# KiCad board V1.1_XT30_version.kicad_pcb (continued)
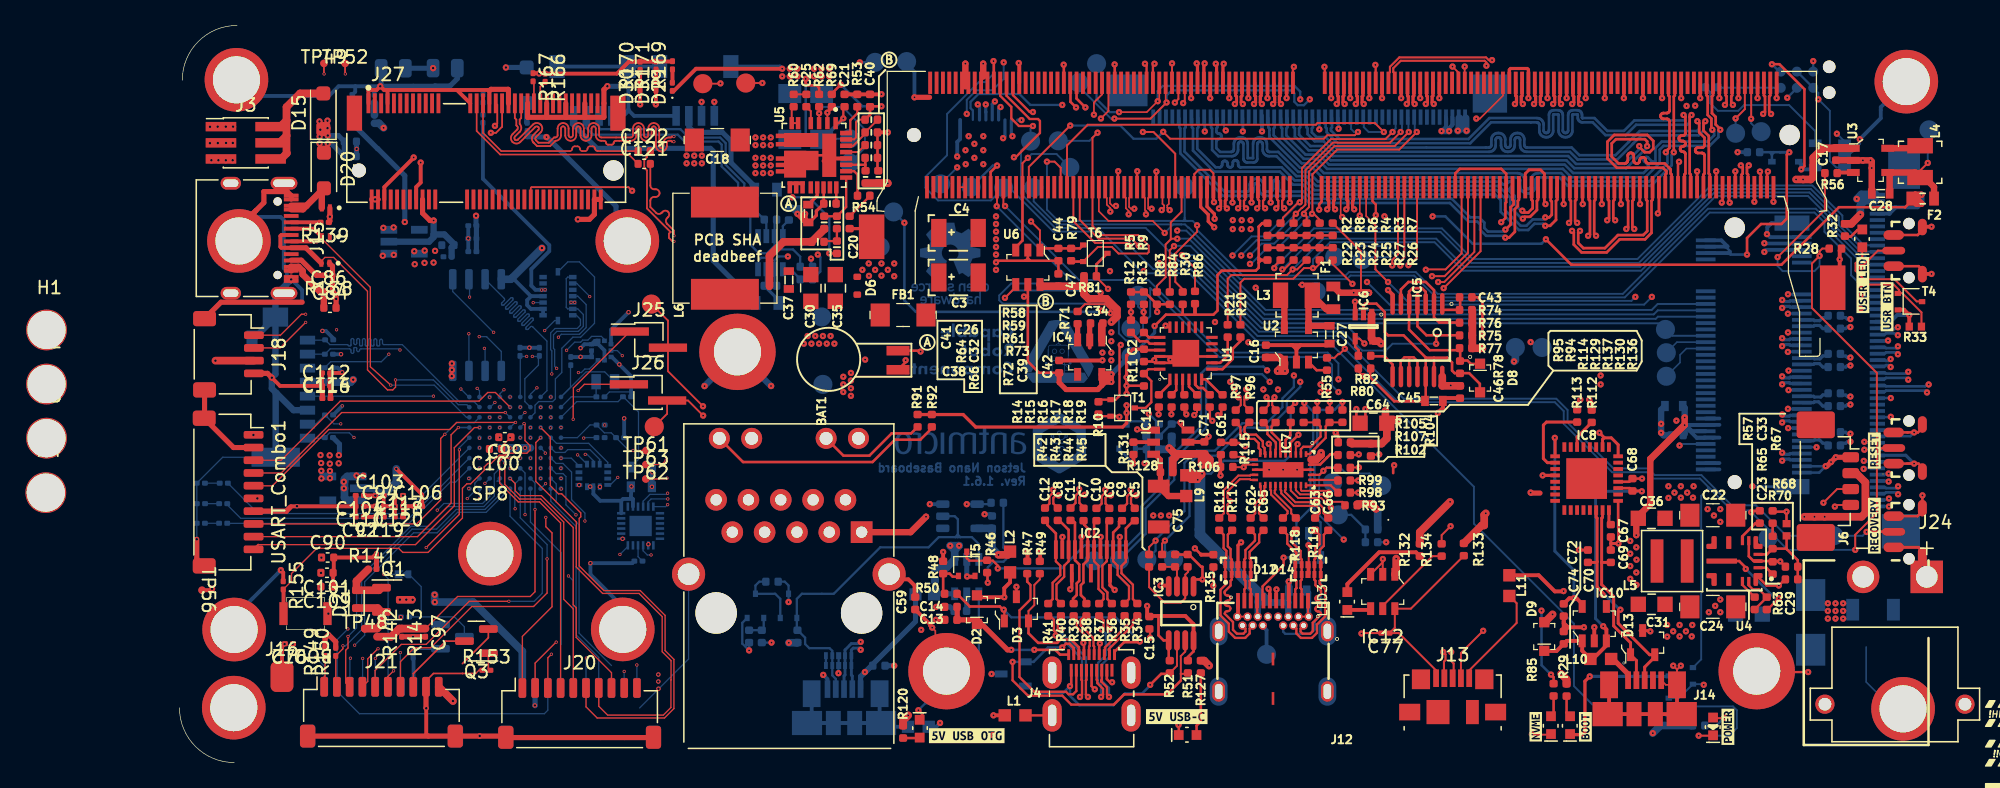
[diagram p0: board, top side]
## Routing (per net, layer and track width the routed paths; a pad name or vN(x,y) marks a point on that pad's centre or on a via; arc(x,y) is an arc through that point) (continued)
  Bottom w0.21: 133.25,30.14 133.98,30.14 134.07,30.22 135.67,30.22 v1(135.82,30.08)
/CSI/CSI_B_D0_P: length 43.4
  Top w0.21: v1(124.41,50.96) 124.56,51.1 124.56,52.33 124.48,52.42 M1.5
  In3_SIGNAL.Cu w0.138: v1(124.41,50.96) 124.6,51.14 124.6,51.53 124.8,51.73 126.96,51.73 128.3,50.39 128.3,45.35 128.6,45.04 133.2,45.04 134.81,43.43 134.81,41.6 134.82,41.56 134.83,41.53 134.85,41.49 134.87,41.47 134.91,41.45 134.94,41.43 134.98,41.43 135.89,41.43 135.98,41.42 136.06,41.39 136.14,41.34 136.2,41.28 136.25,41.2 136.28,41.11 136.29,41.02 136.29,40.97 136.28,40.88 136.25,40.8 136.2,40.72 136.14,40.66 136.06,40.61 135.98,40.58 135.89,40.57 134.98,40.57 134.94,40.56 134.91,40.55 134.87,40.53 134.85,40.5 134.83,40.47 134.82,40.44 134.81,40.4 134.82,40.36 134.83,40.33 134.85,40.29 134.87,40.27 134.91,40.25 134.94,40.23 134.98,40.23 135.89,40.23 135.98,40.22 136.06,40.19 136.14,40.14 136.2,40.08 136.25,40 136.28,39.91 136.29,39.82 136.29,39.77 136.28,39.68 136.25,39.6 136.2,39.52 136.14,39.46 136.06,39.41 135.98,39.38 135.89,39.37 134.98,39.37 134.94,39.36 134.91,39.35 134.87,39.33 134.85,39.3 134.83,39.27 134.82,39.24 134.81,39.2 134.81,37.17 134.82,37.13 134.83,37.1 134.85,37.07 134.87,37.04 134.91,37.02 134.94,37.01 134.98,37 135.58,37 135.67,36.99 135.76,36.96 135.84,36.91 135.9,36.85 135.95,36.77 135.98,36.69 135.99,36.6 135.99,36.55 135.98,36.46 135.95,36.37 135.9,36.29 135.84,36.23 135.76,36.18 135.67,36.15 135.58,36.14 134.98,36.14 134.94,36.14 134.91,36.12 134.87,36.1 134.85,36.08 134.83,36.04 134.82,36.01 134.81,35.97 134.81,35.3 135.2,34.91 135.29,34.91 135.88,34.32 135.88,31.75 135.3,31.17 135.3,30.73 135.51,30.52 135.63,30.52 v1(135.82,30.7)
  Bottom w0.21: 133.25,30.64 133.98,30.64 134.07,30.56 135.67,30.56 v1(135.82,30.7)
/CSI/CSI_B_D1_N: length 43.3
  Top w0.21: v1(122.04,51.67) 121.92,51.8 121.92,52.36 121.98,52.42 M1.15
  In3_SIGNAL.Cu w0.138: v1(122.04,51.67) 121.86,51.85 121.86,52.74 122.11,52.99 126.61,52.99 129.26,50.34 129.26,45.93 129.73,45.46 133.93,45.46 136.68,42.71 136.68,31.98 136.68,31.95 136.67,31.92 136.65,31.89 136.63,31.87 136.6,31.85 136.57,31.84 136.53,31.83 136.43,31.83 136.4,31.83 136.37,31.82 136.34,31.8 136.32,31.78 136.3,31.75 136.29,31.72 136.28,31.68 136.29,31.65 136.3,31.62 136.32,31.59 136.34,31.57 136.37,31.55 136.4,31.54 136.43,31.53 136.53,31.53 136.57,31.53 136.6,31.52 136.63,31.5 136.65,31.48 136.67,31.45 136.68,31.42 136.68,31.38 136.68,29.68 v1(137.29,29.08)
  Bottom w0.21: 133.25,29.14 133.98,29.14 134.07,29.22 137.14,29.22 v1(137.29,29.08)
/CSI/CSI_B_D1_P: length 43.3
  Top w0.21: v1(121.41,51.67) 121.54,51.8 121.54,52.36 121.48,52.42 M1.17
  In3_SIGNAL.Cu w0.138: v1(137.42,29.7) 137.03,29.7 136.95,29.79 136.95,42.82 134.04,45.72 129.84,45.72 129.52,46.04 129.52,50.45 126.71,53.26 122,53.26 121.6,52.85 121.6,51.85 v1(121.41,51.67)
  Bottom w0.21: 133.25,29.64 133.98,29.64 134.07,29.56 137.14,29.56 137.36,29.77 v1(137.42,29.7)
/CSI/CSI_C_CLK_N: length 55.7
  Top w0.21: v1(112.79,42.6) 112.64,42.75 112.64,44.13 112.73,44.21 M1.52
  In5_3V3_SYS_SIGNAL.Cu w0.128: v1(112.79,42.6) 112.6,42.79 112.6,42.99 112.67,43.06 114.87,43.06 115.92,42.01 115.92,38.27 118.89,35.3 118.89,34.58 118.89,34.55 118.88,34.52 118.86,34.5 118.84,34.48 118.82,34.46 118.79,34.45 118.76,34.45 118.5,34.45 118.42,34.44 118.35,34.41 118.28,34.37 118.22,34.31 118.18,34.25 118.15,34.17 118.15,34.09 118.15,34.05 118.15,33.97 118.18,33.89 118.22,33.82 118.28,33.76 118.35,33.72 118.42,33.7 118.5,33.69 119.51,33.69 119.54,33.68 119.56,33.67 119.59,33.66 119.61,33.64 119.62,33.61 119.63,33.59 119.64,33.56 119.63,33.53 119.62,33.5 119.61,33.48 119.59,33.46 119.56,33.44 119.54,33.43 119.51,33.43 118.5,33.43 118.42,33.42 118.35,33.39 118.28,33.35 118.22,33.3 118.18,33.23 118.15,33.15 118.15,33.07 118.15,33.03 118.15,32.95 118.18,32.87 118.22,32.8 118.28,32.75 118.35,32.7 118.42,32.68 118.5,32.67 119.51,32.67 119.54,32.67 119.56,32.66 119.59,32.64 119.61,32.62 119.62,32.6 119.63,32.57 119.64,32.54 119.63,32.51 119.62,32.48 119.61,32.46 119.59,32.44 119.56,32.42 119.54,32.42 119.51,32.41 118.5,32.41 118.42,32.4 118.35,32.38 118.28,32.33 118.22,32.28 118.18,32.21 118.15,32.13 118.15,32.05 118.15,32.01 118.15,31.93 118.18,31.85 118.22,31.79 118.28,31.73 118.35,31.69 118.42,31.66 118.5,31.65 119.51,31.65 119.54,31.65 119.56,31.64 119.59,31.62 119.61,31.6 119.62,31.58 119.63,31.55 119.64,31.52 119.63,31.49 119.62,31.47 119.61,31.44 119.59,31.42 119.56,31.41 119.54,31.4 119.51,31.39 118.5,31.39 118.42,31.39 118.35,31.36 118.28,31.32 118.22,31.26 118.18,31.19 118.15,31.12 118.15,31.04 118.15,30.99 118.15,30.91 118.18,30.84 118.22,30.77 118.28,30.71 118.35,30.67 118.42,30.64 118.5,30.63 119.51,30.63 119.54,30.63 119.56,30.62 119.59,30.6 119.61,30.58 119.62,30.56 119.63,30.53 119.64,30.5 119.63,30.48 119.62,30.45 119.61,30.42 119.59,30.4 119.56,30.39 119.54,30.38 119.51,30.38 118.5,30.38 118.42,30.37 118.35,30.34 118.28,30.3 118.22,30.24 118.18,30.17 118.15,30.1 118.15,30.02 118.15,29.97 118.15,29.89 118.18,29.82 118.22,29.75 118.28,29.69 118.35,29.65 118.42,29.62 118.5,29.61 119.51,29.61 119.54,29.61 119.56,29.6 119.59,29.59 119.61,29.57 119.62,29.54 119.63,29.51 119.64,29.49 119.63,29.46 119.62,29.43 119.61,29.41 119.59,29.39 119.56,29.37 119.54,29.36 119.51,29.36 118.5,29.36 118.42,29.35 118.35,29.32 118.28,29.28 118.22,29.22 118.18,29.16 118.15,29.08 118.15,29 118.15,28.96 118.15,28.88 118.18,28.8 118.22,28.73 118.28,28.67 118.35,28.63 118.42,28.61 118.5,28.6 119.51,28.6 119.54,28.59 119.56,28.58 119.59,28.57 119.61,28.55 119.62,28.52 119.63,28.5 119.64,28.47 119.63,28.44 119.62,28.41 119.61,28.39 119.59,28.37 119.56,28.35 119.54,28.34 119.51,28.34 119.25,28.34 119.17,28.33 119.09,28.3 119.03,28.26 118.97,28.21 118.93,28.14 118.9,28.06 118.89,27.98 118.89,26.88 120.07,25.7 122.77,25.7 125.5,22.97 128.32,22.97 129.86,24.52 130.58,24.52 130.61,24.51 130.64,24.5 130.67,24.48 130.69,24.46 130.71,24.43 130.72,24.4 130.73,24.37 130.73,24.33 130.73,24.29 130.74,24.26 130.76,24.23 130.78,24.21 130.81,24.19 130.84,24.18 130.88,24.18 130.91,24.18 130.94,24.19 130.97,24.21 130.99,24.23 131.01,24.26 131.02,24.29 131.03,24.33 131.03,24.37 131.03,24.4 131.04,24.43 131.06,24.46 131.08,24.48 131.11,24.5 131.14,24.51 131.18,24.52 131.74,24.52 131.99,24.76 132.18,24.76 v1(132.36,24.58)
  Bottom w0.21: v1(132.36,24.58) 132.43,24.64 133.25,24.64
/CSI/CSI_C_CLK_P: length 55.7
  Top w0.21: v1(112.16,42.6) 112.31,42.75 112.31,44.13 112.23,44.21 112.23,45.2
  In5_3V3_SYS_SIGNAL.Cu w0.128: v1(132.36,25.2) 132.18,25.02 131.89,25.02 131.64,24.77 129.76,24.77 128.21,23.23 125.6,23.23 122.88,25.95 120.18,25.95 119.14,26.98 119.14,27.96 119.15,27.99 119.16,28.01 119.17,28.04 119.19,28.06 119.22,28.07 119.24,28.08 119.27,28.09 119.53,28.09 119.61,28.1 119.69,28.12 119.75,28.17 119.81,28.22 119.85,28.29 119.88,28.37 119.89,28.45 119.89,28.49 119.88,28.57 119.85,28.65 119.81,28.71 119.75,28.77 119.69,28.81 119.61,28.84 119.53,28.85 118.53,28.85 118.5,28.85 118.47,28.86 118.45,28.88 118.43,28.9 118.41,28.92 118.4,28.95 118.4,28.98 118.4,29.01 118.41,29.03 118.43,29.06 118.45,29.08 118.47,29.09 118.5,29.1 118.53,29.11 119.53,29.11 119.61,29.11 119.69,29.14 119.75,29.18 119.81,29.24 119.85,29.31 119.88,29.38 119.89,29.46 119.89,29.51 119.88,29.59 119.85,29.66 119.81,29.73 119.75,29.79 119.69,29.83 119.61,29.86 119.53,29.87 118.53,29.87 118.5,29.87 118.47,29.88 118.45,29.9 118.43,29.92 118.41,29.94 118.4,29.97 118.4,30 118.4,30.02 118.41,30.05 118.43,30.08 118.45,30.1 118.47,30.11 118.5,30.12 118.53,30.12 119.53,30.12 119.61,30.13 119.69,30.16 119.75,30.2 119.81,30.26 119.85,30.33 119.88,30.4 119.89,30.48 119.89,30.53 119.88,30.61 119.85,30.68 119.81,30.75 119.75,30.81 119.69,30.85 119.61,30.88 119.53,30.89 118.53,30.89 118.5,30.89 118.47,30.9 118.45,30.91 118.43,30.93 118.41,30.96 118.4,30.98 118.4,31.01 118.4,31.04 118.41,31.07 118.43,31.09 118.45,31.11 118.47,31.13 118.5,31.14 118.53,31.14 119.53,31.14 119.61,31.15 119.69,31.18 119.75,31.22 119.81,31.28 119.85,31.34 119.88,31.42 119.89,31.5 119.89,31.54 119.88,31.62 119.85,31.7 119.81,31.77 119.75,31.82 119.69,31.87 119.61,31.89 119.53,31.9 118.53,31.9 118.5,31.91 118.47,31.92 118.45,31.93 118.43,31.95 118.41,31.98 118.4,32 118.4,32.03 118.4,32.06 118.41,32.09 118.43,32.11 118.45,32.13 118.47,32.15 118.5,32.16 118.53,32.16 119.53,32.16 119.61,32.17 119.69,32.19 119.75,32.24 119.81,32.29 119.85,32.36 119.88,32.44 119.89,32.52 119.89,32.56 119.88,32.64 119.85,32.72 119.81,32.79 119.75,32.84 119.69,32.89 119.61,32.91 119.53,32.92 118.53,32.92 118.5,32.92 118.47,32.93 118.45,32.95 118.43,32.97 118.41,32.99 118.4,33.02 118.4,33.05 118.4,33.08 118.41,33.1 118.43,33.13 118.45,33.15 118.47,33.16 118.5,33.17 118.53,33.18 119.53,33.18 119.61,33.19 119.69,33.21 119.75,33.26 119.81,33.31 119.85,33.38 119.88,33.46 119.89,33.54 119.89,33.58 119.88,33.66 119.85,33.74 119.81,33.8 119.75,33.86 119.69,33.9 119.61,33.93 119.53,33.94 118.53,33.94 118.5,33.94 118.47,33.95 118.45,33.97 118.43,33.99 118.41,34.01 118.4,34.04 118.4,34.07 118.4,34.1 118.41,34.12 118.43,34.15 118.45,34.17 118.47,34.18 118.5,34.19 118.53,34.2 118.78,34.2 118.86,34.2 118.94,34.23 119.01,34.27 119.07,34.33 119.11,34.4 119.13,34.47 119.14,34.55 119.14,35.41 116.18,38.38 116.18,42.11 114.97,43.31 112.57,43.31 112.35,43.1 112.35,42.79 v1(112.16,42.6)
  Bottom w0.21: 133.25,25.14 132.43,25.14 v1(132.36,25.2)
/CSI/CSI_C_D0_N: length 55.7
  Top w0.21: v1(114.29,41.92) 114.14,42.07 114.14,44.13 114.23,44.21 M1.46
  In5_3V3_SYS_SIGNAL.Cu w0.128: 132.29,23.08 132.11,23.26 131.48,23.26 131.45,23.26 131.42,23.25 131.39,23.23 131.37,23.21 131.35,23.18 131.34,23.15 131.33,23.11 131.33,23.07 131.33,23.04 131.32,23.01 131.3,22.98 131.28,22.96 131.25,22.94 131.22,22.93 131.18,22.92 131.15,22.93 131.12,22.94 131.09,22.96 131.07,22.98 131.05,23.01 131.04,23.04 131.03,23.07 131.03,23.11 131.03,23.15 131.02,23.18 131,23.21 130.98,23.23 130.95,23.25 130.92,23.26 130.88,23.26 130.55,23.26 129.76,22.47 125.27,22.47 122.86,24.88 118.59,24.88 116.91,26.56 116.91,27.49 116.92,27.57 116.94,27.65 116.99,27.72 117.04,27.77 117.11,27.82 117.19,27.84 117.27,27.85 117.84,27.85 117.87,27.85 117.9,27.86 117.92,27.88 117.94,27.9 117.96,27.92 117.97,27.95 117.97,27.98 117.97,28.01 117.96,28.04 117.94,28.06 117.92,28.08 117.9,28.1 117.87,28.1 117.84,28.11 116.21,28.11 116.13,28.12 116.05,28.14 115.98,28.19 115.93,28.24 115.88,28.31 115.86,28.39 115.85,28.47 115.85,28.51 115.86,28.59 115.88,28.67 115.93,28.73 115.98,28.79 116.05,28.83 116.13,28.86 116.21,28.87 117.44,28.87 117.47,28.87 117.5,28.88 117.52,28.9 117.54,28.92 117.56,28.94 117.57,28.97 117.57,29 117.57,29.03 117.56,29.05 117.54,29.08 117.52,29.1 117.5,29.11 117.47,29.12 117.44,29.13 116.21,29.13 116.13,29.13 116.05,29.16 115.98,29.2 115.93,29.26 115.88,29.33 115.86,29.4 115.85,29.48 115.85,29.53 115.86,29.61 115.88,29.68 115.93,29.75 115.98,29.81 116.05,29.85 116.13,29.88 116.21,29.89 117.44,29.89 117.47,29.89 117.5,29.9 117.52,29.92 117.54,29.94 117.56,29.96 117.57,29.99 117.57,30.02 117.57,30.04 117.56,30.07 117.54,30.1 117.52,30.12 117.5,30.13 117.47,30.14 117.44,30.14 116.21,30.14 116.13,30.15 116.05,30.18 115.98,30.22 115.93,30.28 115.88,30.35 115.86,30.42 115.85,30.5 115.85,30.55 115.86,30.63 115.88,30.7 115.93,30.77 115.98,30.83 116.05,30.87 116.13,30.9 116.21,30.91 117.44,30.91 117.47,30.91 117.5,30.92 117.52,30.93 117.54,30.95 117.56,30.98 117.57,31.01 117.57,31.03 117.57,31.06 117.56,31.09 117.54,31.11 117.52,31.13 117.5,31.15 117.47,31.16 117.44,31.16 116.21,31.16 116.13,31.17 116.05,31.2 115.98,31.24 115.93,31.3 115.88,31.36 115.86,31.44 115.85,31.52 115.85,31.56 115.86,31.64 115.88,31.72 115.93,31.79 115.98,31.85 116.05,31.89 116.13,31.91 116.21,31.92 117.44,31.92 117.47,31.93 117.5,31.94 117.52,31.95 117.54,31.97 117.56,32 117.57,32.02 117.57,32.05 117.57,32.08 117.56,32.11 117.54,32.13 117.52,32.15 117.5,32.17 117.47,32.18 117.44,32.18 116.21,32.18 116.13,32.19 116.05,32.22 115.98,32.26 115.93,32.31 115.88,32.38 115.86,32.46 115.85,32.54 115.85,32.58 115.86,32.66 115.88,32.74 115.93,32.81 115.98,32.86 116.05,32.91 116.13,32.93 116.21,32.94 116.78,32.94 116.81,32.94 116.84,32.95 116.86,32.97 116.88,32.99 116.9,33.01 116.91,33.04 116.91,33.07 116.91,36.2 115.22,37.88 115.22,41.78 114.64,42.36 114.18,42.36 114.1,42.28 114.1,42.11 v1(114.29,41.92)
  Bottom w0.21: 132.32,23.08 132.39,23.14 133.25,23.14
  vias: v1(132.31,23.07)
/CSI/CSI_C_D0_P: length 55.7
  Top w0.21: v1(113.66,41.92) 113.81,42.07 113.81,44.13 113.73,44.21 113.73,45.2
  In5_3V3_SYS_SIGNAL.Cu w0.128: v1(113.66,41.92) 113.85,42.11 113.85,42.39 114.08,42.61 114.74,42.61 115.48,41.88 115.48,37.98 117.16,36.3 117.16,33.05 117.15,32.97 117.13,32.89 117.08,32.82 117.03,32.77 116.96,32.72 116.88,32.7 116.8,32.69 116.23,32.69 116.2,32.69 116.17,32.68 116.15,32.66 116.13,32.64 116.11,32.62 116.1,32.59 116.1,32.56 116.1,32.53 116.11,32.51 116.13,32.48 116.15,32.46 116.17,32.45 116.2,32.44 116.23,32.43 117.46,32.43 117.54,32.42 117.62,32.4 117.69,32.35 117.74,32.3 117.79,32.23 117.81,32.15 117.82,32.07 117.82,32.03 117.81,31.95 117.79,31.87 117.74,31.81 117.69,31.75 117.62,31.71 117.54,31.68 117.46,31.67 116.23,31.67 116.2,31.67 116.17,31.66 116.15,31.64 116.13,31.62 116.11,31.6 116.1,31.57 116.1,31.54 116.1,31.51 116.11,31.49 116.13,31.46 116.15,31.44 116.17,31.43 116.2,31.42 116.23,31.41 117.46,31.41 117.54,31.41 117.62,31.38 117.69,31.34 117.74,31.28 117.79,31.21 117.81,31.14 117.82,31.06 117.82,31.01 117.81,30.93 117.79,30.86 117.74,30.79 117.69,30.73 117.62,30.69 117.54,30.66 117.46,30.65 116.23,30.65 116.2,30.65 116.17,30.64 116.15,30.62 116.13,30.6 116.11,30.58 116.1,30.55 116.1,30.52 116.1,30.5 116.11,30.47 116.13,30.44 116.15,30.42 116.17,30.41 116.2,30.4 116.23,30.4 117.46,30.4 117.54,30.39 117.62,30.36 117.69,30.32 117.74,30.26 117.79,30.19 117.81,30.12 117.82,30.04 117.82,29.99 117.81,29.91 117.79,29.84 117.74,29.77 117.69,29.71 117.62,29.67 117.54,29.64 117.46,29.63 116.23,29.63 116.2,29.63 116.17,29.62 116.15,29.61 116.13,29.59 116.11,29.56 116.1,29.54 116.1,29.51 116.1,29.48 116.11,29.45 116.13,29.43 116.15,29.41 116.17,29.39 116.2,29.38 116.23,29.38 117.46,29.38 117.54,29.37 117.62,29.34 117.69,29.3 117.74,29.24 117.79,29.18 117.81,29.1 117.82,29.02 117.82,28.98 117.81,28.9 117.79,28.82 117.74,28.75 117.69,28.7 117.62,28.65 117.54,28.63 117.46,28.62 116.23,28.62 116.2,28.61 116.17,28.6 116.15,28.59 116.13,28.57 116.11,28.54 116.1,28.52 116.1,28.49 116.1,28.46 116.11,28.43 116.13,28.41 116.15,28.39 116.17,28.37 116.2,28.36 116.23,28.36 117.86,28.36 117.94,28.35 118.02,28.33 118.09,28.28 118.14,28.23 118.19,28.16 118.21,28.08 118.22,28 118.22,27.96 118.21,27.88 118.19,27.8 118.14,27.73 118.09,27.68 118.02,27.63 117.94,27.61 117.86,27.6 117.29,27.6 117.26,27.6 117.23,27.59 117.21,27.57 117.19,27.55 117.17,27.53 117.16,27.5 117.16,27.47 117.16,26.67 118.7,25.13 122.96,25.13 125.38,22.72 129.65,22.72 130.45,23.52 132.14,23.52 v1(132.32,23.7)
  Bottom w0.21: 133.25,23.64 132.39,23.64 v1(132.32,23.7)
/CSI/CSI_C_D1_N: length 55.7
  Top w0.21: 111.29,41.35 111.14,41.5 111.14,44.13 111.23,44.21 111.23,45.2
  In5_3V3_SYS_SIGNAL.Cu w0.128: 111.29,41.35 111.1,41.54 111.1,41.61 111.29,41.8 112.5,41.8 114.47,39.82 114.47,37.61 114.84,37.23 114.84,36 114.84,35.97 114.83,35.94 114.81,35.91 114.79,35.89 114.76,35.87 114.73,35.86 114.69,35.85 114.41,35.85 114.33,35.84 114.25,35.82 114.17,35.77 114.11,35.71 114.07,35.64 114.04,35.56 114.03,35.48 114.03,35.43 114.04,35.35 114.07,35.27 114.11,35.19 114.17,35.13 114.25,35.09 114.33,35.06 114.41,35.05 114.69,35.05 114.73,35.05 114.76,35.04 114.79,35.02 114.81,35 114.83,34.97 114.84,34.94 114.84,34.9 114.84,34.87 114.83,34.84 114.81,34.81 114.79,34.79 114.76,34.77 114.73,34.76 114.69,34.75 114.41,34.75 114.33,34.74 114.25,34.72 114.17,34.67 114.11,34.61 114.07,34.54 114.04,34.46 114.03,34.38 114.03,34.33 114.04,34.25 114.07,34.17 114.11,34.09 114.17,34.03 114.25,33.99 114.33,33.96 114.41,33.95 114.69,33.95 114.73,33.95 114.76,33.94 114.79,33.92 114.81,33.9 114.83,33.87 114.84,33.84 114.84,33.8 114.84,33.77 114.83,33.74 114.81,33.71 114.79,33.69 114.76,33.67 114.73,33.66 114.69,33.65 114.41,33.65 114.33,33.64 114.25,33.62 114.17,33.57 114.11,33.51 114.07,33.44 114.04,33.36 114.03,33.28 114.03,33.23 114.04,33.15 114.07,33.07 114.11,32.99 114.17,32.93 114.25,32.89 114.33,32.86 114.41,32.85 114.69,32.85 114.73,32.85 114.76,32.84 114.79,32.82 114.81,32.8 114.83,32.77 114.84,32.74 114.84,32.7 114.84,32.67 114.83,32.64 114.81,32.61 114.79,32.59 114.76,32.57 114.73,32.56 114.69,32.55 114.41,32.55 114.33,32.54 114.25,32.52 114.17,32.47 114.11,32.41 114.07,32.34 114.04,32.26 114.03,32.18 114.03,32.13 114.04,32.05 114.07,31.97 114.11,31.89 114.17,31.83 114.25,31.79 114.33,31.76 114.41,31.75 114.69,31.75 114.73,31.75 114.76,31.74 114.79,31.72 114.81,31.7 114.83,31.67 114.84,31.64 114.84,31.6 114.84,31.57 114.83,31.54 114.81,31.51 114.79,31.49 114.76,31.47 114.73,31.46 114.69,31.45 114.41,31.45 114.33,31.44 114.25,31.42 114.17,31.37 114.11,31.31 114.07,31.24 114.04,31.16 114.03,31.08 114.03,31.03 114.04,30.95 114.07,30.87 114.11,30.79 114.17,30.73 114.25,30.69 114.33,30.66 114.41,30.65 114.69,30.65 114.73,30.65 114.76,30.64 114.79,30.62 114.81,30.6 114.83,30.57 114.84,30.54 114.84,30.5 114.84,30.47 114.83,30.44 114.81,30.41 114.79,30.39 114.76,30.37 114.73,30.36 114.69,30.35 114.41,30.35 114.33,30.34 114.25,30.32 114.17,30.27 114.11,30.21 114.07,30.14 114.04,30.06 114.03,29.98 114.03,29.93 114.04,29.85 114.07,29.77 114.11,29.69 114.17,29.63 114.25,29.59 114.33,29.56 114.41,29.55 114.69,29.55 114.73,29.55 114.76,29.54 114.79,29.52 114.81,29.5 114.83,29.47 114.84,29.44 114.84,29.4 114.84,29.37 114.83,29.34 114.81,29.31 114.79,29.29 114.76,29.27 114.73,29.26 114.69,29.25 114.41,29.25 114.33,29.24 114.25,29.22 114.17,29.17 114.11,29.11 114.07,29.04 114.04,28.96 114.03,28.88 114.03,28.83 114.04,28.75 114.07,28.67 114.11,28.59 114.17,28.53 114.25,28.49 114.33,28.46 114.41,28.45 114.69,28.45 114.73,28.45 114.76,28.44 114.79,28.42 114.81,28.4 114.83,28.37 114.84,28.34 114.84,28.3 114.84,28.27 114.83,28.24 114.81,28.21 114.79,28.19 114.76,28.17 114.73,28.16 114.69,28.15 114.41,28.15 114.33,28.14 114.25,28.12 114.17,28.07 114.11,28.01 114.07,27.94 114.04,27.86 114.03,27.78 114.03,27.73 114.04,27.65 114.07,27.57 114.11,27.49 114.17,27.43 114.25,27.39 114.33,27.36 114.41,27.35 114.69,27.35 114.73,27.35 114.76,27.34 114.79,27.32 114.81,27.3 114.83,27.27 114.84,27.24 114.84,27.2 114.84,27.17 114.83,27.14 114.81,27.11 114.79,27.09 114.76,27.07 114.73,27.06 114.69,27.05 114.41,27.05 114.33,27.04 114.25,27.02 114.17,26.97 114.11,26.91 114.07,26.84 114.04,26.76 114.03,26.68 114.03,26.63 114.04,26.55 114.07,26.47 114.11,26.39 114.17,26.33 114.25,26.29 114.33,26.26 114.41,26.25 114.69,26.25 114.73,26.25 114.76,26.24 114.79,26.22 114.81,26.2 114.83,26.17 114.84,26.14 114.84,26.1 114.84,26 116.72,24.12 122.82,24.12 124.98,21.96 130.31,21.96 130.61,22.26 133.08,22.26 133.12,22.26 133.15,22.25 133.18,22.23 133.2,22.21 133.22,22.18 133.23,22.15 133.23,22.11 133.23,22.08 133.24,22.04 133.25,22.01 133.27,21.98 133.29,21.96 133.32,21.94 133.35,21.93 133.38,21.93 133.42,21.93 133.45,21.94 133.48,21.96 133.5,21.98 133.52,22.01 133.53,22.04 133.53,22.08 133.53,22.11 133.54,22.15 133.55,22.18 133.57,22.21 133.59,22.23 133.62,22.25 133.65,22.26 133.68,22.26 134.05,22.26 134.24,22.08
  Bottom w0.21: 134.24,22.08 134.18,22.14 133.25,22.14
  vias: v1(111.29,41.39) v1(134.27,22.08)
/CSI/CSI_C_D1_P: length 55.7
  Top w0.21: 110.66,41.35 110.81,41.5 110.81,44.13 110.73,44.21 110.73,45.2
  In5_3V3_SYS_SIGNAL.Cu w0.128: 110.66,41.35 110.85,41.54 110.85,41.71 111.19,42.05 112.6,42.05 114.72,39.93 114.72,37.71 115.09,37.34 115.09,35.98 115.08,35.9 115.06,35.82 115.01,35.74 114.95,35.68 114.88,35.64 114.8,35.61 114.72,35.6 114.43,35.6 114.4,35.6 114.37,35.59 114.34,35.57 114.32,35.55 114.3,35.52 114.29,35.49 114.28,35.45 114.29,35.42 114.3,35.39 114.32,35.36 114.34,35.34 114.37,35.32 114.4,35.31 114.43,35.3 114.72,35.3 114.8,35.29 114.88,35.27 114.95,35.22 115.01,35.16 115.06,35.09 115.08,35.01 115.09,34.93 115.09,34.88 115.08,34.8 115.06,34.72 115.01,34.64 114.95,34.58 114.88,34.54 114.8,34.51 114.72,34.5 114.43,34.5 114.4,34.5 114.37,34.49 114.34,34.47 114.32,34.45 114.3,34.42 114.29,34.39 114.28,34.35 114.29,34.32 114.3,34.29 114.32,34.26 114.34,34.24 114.37,34.22 114.4,34.21 114.43,34.2 114.72,34.2 114.8,34.19 114.88,34.17 114.95,34.12 115.01,34.06 115.06,33.99 115.08,33.91 115.09,33.83 115.09,33.78 115.08,33.7 115.06,33.62 115.01,33.54 114.95,33.48 114.88,33.44 114.8,33.41 114.72,33.4 114.43,33.4 114.4,33.4 114.37,33.39 114.34,33.37 114.32,33.35 114.3,33.32 114.29,33.29 114.28,33.25 114.29,33.22 114.3,33.19 114.32,33.16 114.34,33.14 114.37,33.12 114.4,33.11 114.43,33.1 114.72,33.1 114.8,33.09 114.88,33.07 114.95,33.02 115.01,32.96 115.06,32.89 115.08,32.81 115.09,32.73 115.09,32.68 115.08,32.6 115.06,32.52 115.01,32.44 114.95,32.38 114.88,32.34 114.8,32.31 114.72,32.3 114.43,32.3 114.4,32.3 114.37,32.29 114.34,32.27 114.32,32.25 114.3,32.22 114.29,32.19 114.28,32.15 114.29,32.12 114.3,32.09 114.32,32.06 114.34,32.04 114.37,32.02 114.4,32.01 114.43,32 114.72,32 114.8,31.99 114.88,31.97 114.95,31.92 115.01,31.86 115.06,31.79 115.08,31.71 115.09,31.63 115.09,31.58 115.08,31.5 115.06,31.42 115.01,31.34 114.95,31.28 114.88,31.24 114.8,31.21 114.72,31.2 114.43,31.2 114.4,31.2 114.37,31.19 114.34,31.17 114.32,31.15 114.3,31.12 114.29,31.09 114.28,31.05 114.29,31.02 114.3,30.99 114.32,30.96 114.34,30.94 114.37,30.92 114.4,30.91 114.43,30.9 114.72,30.9 114.8,30.89 114.88,30.87 114.95,30.82 115.01,30.76 115.06,30.69 115.08,30.61 115.09,30.53 115.09,30.48 115.08,30.4 115.06,30.32 115.01,30.24 114.95,30.18 114.88,30.14 114.8,30.11 114.72,30.1 114.43,30.1 114.4,30.1 114.37,30.09 114.34,30.07 114.32,30.05 114.3,30.02 114.29,29.99 114.28,29.95 114.29,29.92 114.3,29.89 114.32,29.86 114.34,29.84 114.37,29.82 114.4,29.81 114.43,29.8 114.72,29.8 114.8,29.79 114.88,29.77 114.95,29.72 115.01,29.66 115.06,29.59 115.08,29.51 115.09,29.43 115.09,29.38 115.08,29.3 115.06,29.22 115.01,29.14 114.95,29.08 114.88,29.04 114.8,29.01 114.72,29 114.43,29 114.4,29 114.37,28.99 114.34,28.97 114.32,28.95 114.3,28.92 114.29,28.89 114.28,28.85 114.29,28.82 114.3,28.79 114.32,28.76 114.34,28.74 114.37,28.72 114.4,28.71 114.43,28.7 114.72,28.7 114.8,28.69 114.88,28.67 114.95,28.62 115.01,28.56 115.06,28.49 115.08,28.41 115.09,28.33 115.09,28.28 115.08,28.2 115.06,28.12 115.01,28.04 114.95,27.98 114.88,27.94 114.8,27.91 114.72,27.9 114.43,27.9 114.4,27.9 114.37,27.89 114.34,27.87 114.32,27.85 114.3,27.82 114.29,27.79 114.28,27.75 114.29,27.72 114.3,27.69 114.32,27.66 114.34,27.64 114.37,27.62 114.4,27.61 114.43,27.6 114.72,27.6 114.8,27.59 114.88,27.57 114.95,27.52 115.01,27.46 115.06,27.39 115.08,27.31 115.09,27.23 115.09,27.18 115.08,27.1 115.06,27.02 115.01,26.94 114.95,26.88 114.88,26.84 114.8,26.81 114.72,26.8 114.43,26.8 114.4,26.8 114.37,26.79 114.34,26.77 114.32,26.75 114.3,26.72 114.29,26.69 114.28,26.65 114.29,26.62 114.3,26.59 114.32,26.56 114.34,26.54 114.37,26.52 114.4,26.51 114.43,26.5 114.72,26.5 114.8,26.49 114.88,26.47 114.95,26.42 115.01,26.36 115.06,26.29 115.08,26.21 115.09,26.13 115.09,26.1 116.82,24.37 122.92,24.37 125.08,22.21 130.2,22.21 130.5,22.52 134.05,22.52 134.24,22.7
  Bottom w0.21: 133.25,22.64 134.18,22.64 134.24,22.7
  vias: v1(110.66,41.39) v1(134.27,22.7)
/CSI/CSI_D_D0_N: length 55.7
  Top w0.21: v1(109.4,41.77) 109.54,41.64 109.54,40.69 110.15,40.08 112.12,40.08 113.15,41.11 115.14,41.11 115.64,41.61 115.64,44.13 115.73,44.21 115.73,45.2
  In5_3V3_SYS_SIGNAL.Cu w0.128: v1(109.4,41.77) 109.58,41.6 109.58,40.52 110.17,39.93 112.01,39.93 113.48,38.46 113.48,26.03 116.09,23.42 122.72,23.42 124.68,21.46 132.93,21.46 133.12,21.26 134.83,21.26 v1(135.02,21.08)
  Bottom w0.21: 133.25,21.14 133.98,21.14 134.07,21.22 134.87,21.22 v1(135.02,21.08)
/CSI/CSI_D_D0_P: length 55.6
  Top w0.21: v1(110.03,41.77) 109.89,41.64 109.89,40.82 110.29,40.41 111.98,40.41 113.01,41.44 115,41.44 115.31,41.75 115.31,44.13 115.23,44.21 115.23,45.2
  In5_3V3_SYS_SIGNAL.Cu w0.128: v1(135.02,21.7) 134.83,21.52 133.23,21.52 133.03,21.71 132.9,21.71 132.86,21.71 132.83,21.72 132.8,21.74 132.78,21.76 132.76,21.79 132.75,21.82 132.74,21.89 132.73,21.92 132.72,21.95 132.69,21.98 132.66,21.99 132.63,22 132.6,22.01 132.56,22 132.53,21.99 132.5,21.98 132.48,21.95 132.46,21.92 132.45,21.89 132.44,21.82 132.43,21.79 132.42,21.76 132.39,21.74 132.36,21.72 132.33,21.71 132.3,21.71 132.26,21.71 132.23,21.72 132.2,21.74 132.18,21.76 132.16,21.79 132.15,21.82 132.14,21.89 132.13,21.92 132.12,21.95 132.09,21.98 132.06,21.99 132.03,22 132,22.01 131.96,22 131.93,21.99 131.9,21.98 131.88,21.95 131.86,21.92 131.85,21.89 131.84,21.82 131.83,21.79 131.82,21.76 131.79,21.74 131.76,21.72 131.73,21.71 131.7,21.71 131.66,21.71 131.63,21.72 131.6,21.74 131.58,21.76 131.56,21.79 131.55,21.82 131.54,21.89 131.53,21.92 131.52,21.95 131.49,21.98 131.46,21.99 131.43,22 131.4,22.01 131.36,22 131.33,21.99 131.3,21.98 131.28,21.95 131.26,21.92 131.25,21.89 131.24,21.82 131.23,21.79 131.22,21.76 131.19,21.74 131.16,21.72 131.13,21.71 131.1,21.71 131.06,21.71 131.03,21.72 131,21.74 130.98,21.76 130.96,21.79 130.95,21.82 130.94,21.89 130.93,21.92 130.92,21.95 130.89,21.98 130.86,21.99 130.83,22 130.8,22.01 130.76,22 130.73,21.99 130.7,21.98 130.68,21.95 130.66,21.92 130.65,21.89 130.64,21.82 130.63,21.79 130.62,21.76 130.59,21.74 130.56,21.72 130.53,21.71 130.5,21.71 124.79,21.71 122.82,23.67 116.19,23.67 113.73,26.14 113.73,38.57 112.11,40.19 110.27,40.19 109.83,40.63 109.83,41.58 v1(110.03,41.77)
  Bottom w0.21: 133.25,21.64 133.98,21.64 134.07,21.56 134.87,21.56 v1(135.02,21.7)
